# Altium PCB VCTS_mainboard_Photo.PcbDoc (part 3 of 4) (continued)
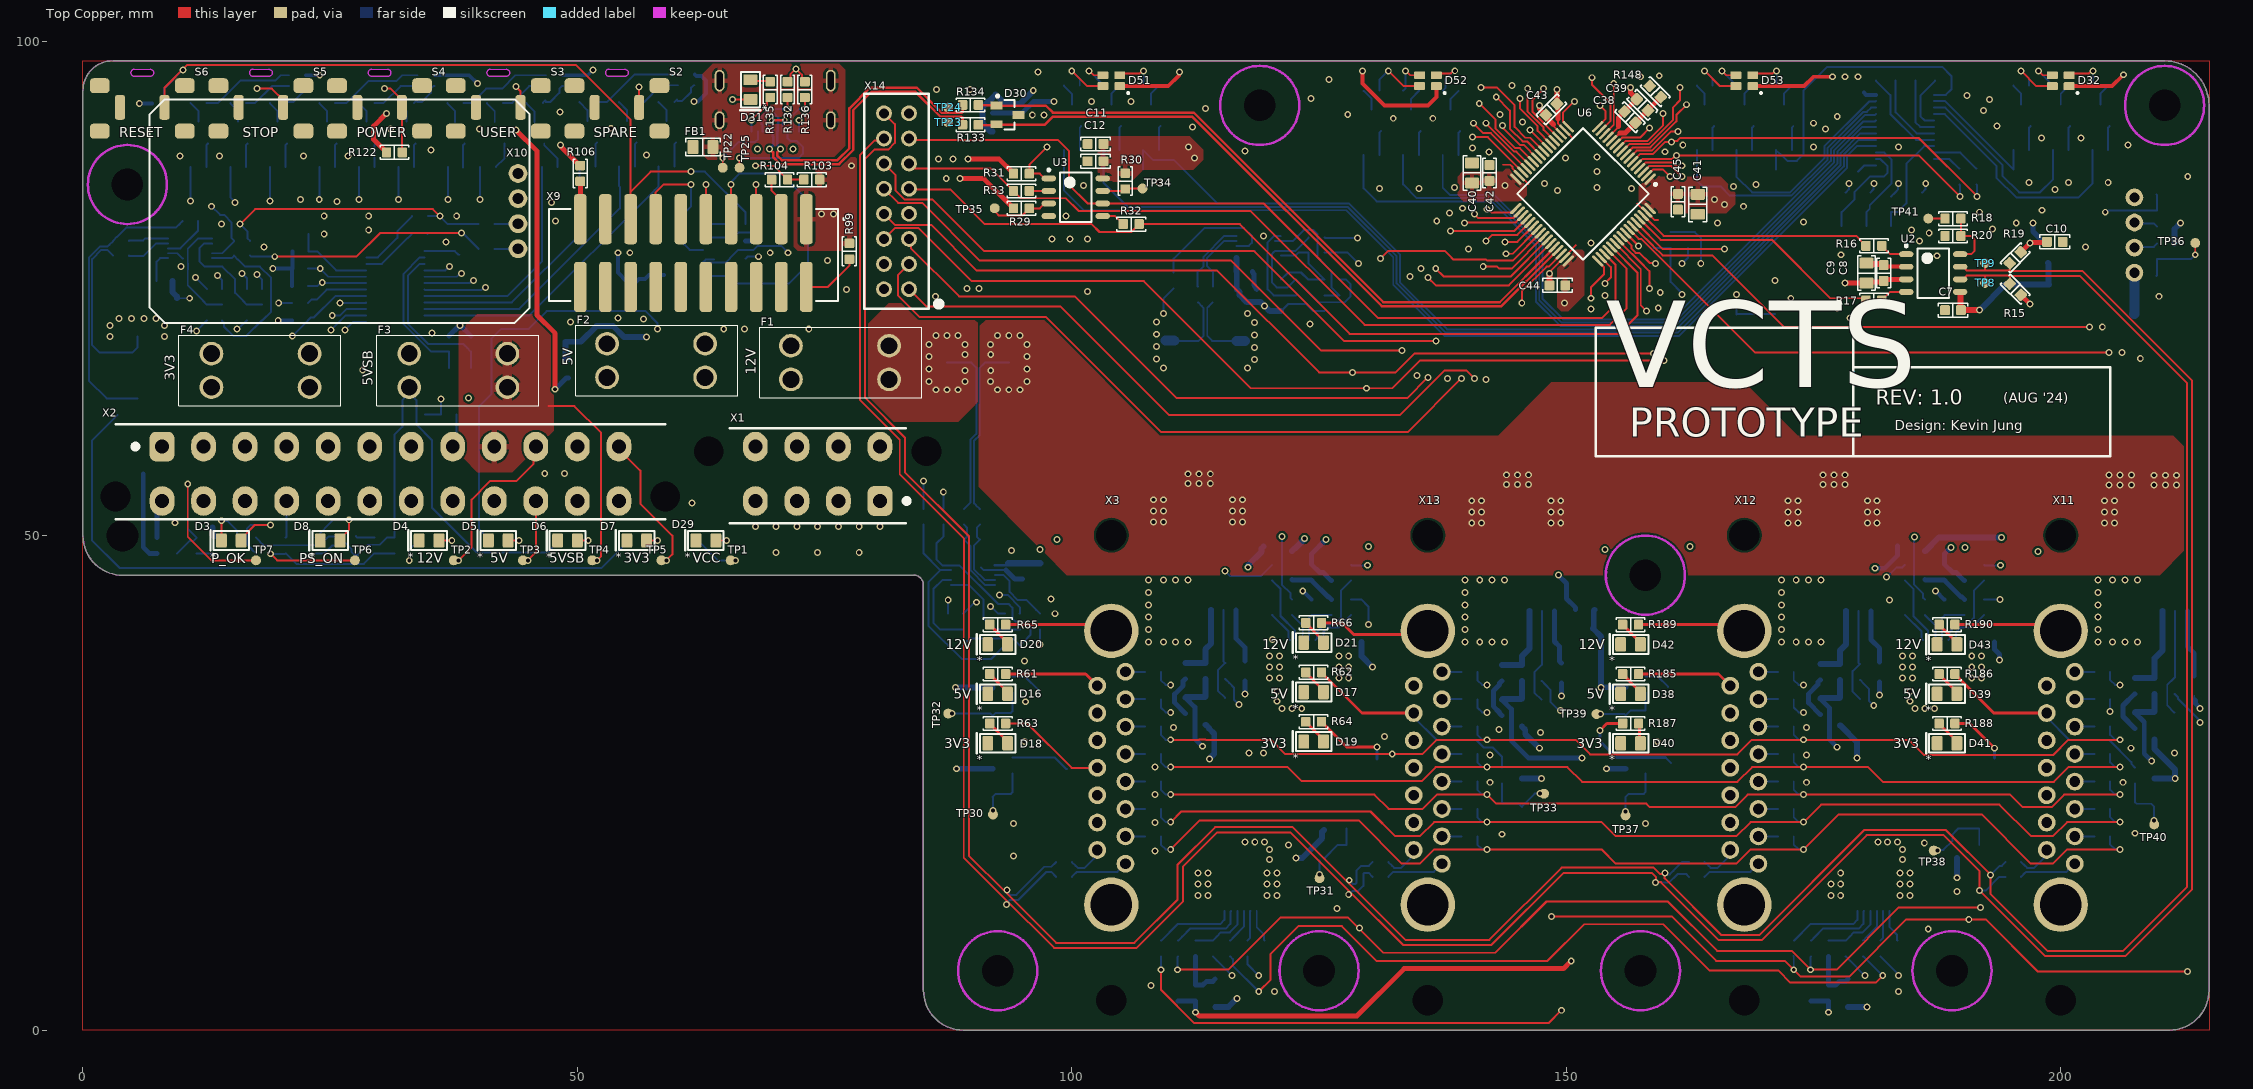
[diagram p0: Top Copper view]
## Nets (pads, with @x,y where several pads share a name; then routed paths per layer and width w, separated by ;. In a path a pad name is that pad's centre, name@x,y a point inside that pad or via, vN(x,y) a via of type N, cw(c..) or ccw(c..) an arc to the next point about the centre after c; other vN are vias at no path point) (continued)
NetB1_1: B1.1 R50.1 | length 3.2
  Bottom Copper w0.2: R50.1@120.25,41.95 120.275,41.95 121.925,40.3 121.925,39.587 B1.1@122.05,39.462
NetB1_2: B1.2 R51.1 | length 7
  Bottom Copper w0.2: R51.1@120.25,45.45 120.275,45.45 121.1,44.625 121.1,41.869 122.575,40.394 122.575,39.587 B1.2@122.7,39.462
NetB1_3: B1.3 R53.1 | length 3
  Bottom Copper w0.2: R53.1@122.25,41.95 122.275,41.95 123.35,40.875 B1.3@123.35,39.462
NetB1_4: B1.4 R55.2 R57.2 | length 4.6
  Bottom Copper w0.2: B1.4@124,39.462 124,41.7 R57.2@124.25,41.95 R55.2@126.25,41.95
NetB1_5: B1.5 R56.2 | length 8.1
  Bottom Copper w0.2: B1.5@124.65,39.462 124.775,39.587 124.775,40.25 125.555,41.03 126.561,41.03 127.211,41.68 127.211,44.436 128.225,45.45 R56.2@128.25,45.45
NetB1_6: B1.6 R58.1 | length 4.4
  Bottom Copper w0.2: B1.6@125.3,39.462 125.425,39.587 125.425,40.25 125.875,40.7 126.975,40.7 128.225,41.95 R58.1@128.25,41.95
NetB2_1: B2.1 R68.1 | length 3.3
  Bottom Copper w0.2: B2.1@118.7,12.038 118.7,10.4 119.442,9.658 119.442,9.108 R68.1@119.5,9.05
NetB2_2: B2.2 R69.1 | length 3.1
  Bottom Copper w0.2: R69.1@117.75,9.05 118.041,9.341 118.041,12.029 B2.2@118.05,12.038
NetB2_3: B2.3 R71.1 | length 3.6
  Bottom Copper w0.2: R71.1@116,9.05 116.015,9.05 116.4,9.435 116.4,9.45 117.4,10.45 B2.3@117.4,12.038
NetB2_4: B2.4 R73.2 R75.2 | length 6.3
  Bottom Copper w0.2: R73.2@112.5,9.05 R75.2@114.25,9.05 114.265,9.05 114.65,9.435 114.65,9.45 115.078,9.878 115.978,9.878 116.75,10.65 B2.4@116.75,12.038
NetB2_5: B2.5 R74.2 | length 7.3
  Bottom Copper w0.2: R74.2@110.75,9.05 110.765,9.05 111.15,9.435 111.15,9.45 111.95,10.25 115.558,10.25 116.042,10.734 116.042,11.98 B2.5@116.1,12.038
NetB2_6: B2.6 R76.1 | length 8.2
  Bottom Copper w0.2: R76.1@109,9.05 109.025,9.05 110.684,10.709 114.998,10.709 115.43,11.142 115.43,12.018 B2.6@115.45,12.038
NetB3_1: B3.1 R85.2 | length 5.6
  Bottom Copper w0.5: B3.1@116.62,42.5 116.62,39.58 117.5,38.7 R85.2@117.5,37.3
NetB3_2: B3.2 C30.2 R79.2 | length 9.6
  Bottom Copper w0.2: B3.2@115.35,42.5 115.35,37.25 R79.2@115.5,37.1 ; C30.2@115.5,33.6 114.77,34.33 114.77,36.395 115.475,37.1 R79.2@115.5,37.1 ; R79.2@115.54,37.14 R79.2@115.5,37.1
NetB3_3: B3.3 R81.2 R83.2 | length 7.6
  Bottom Copper w0.6: R83.2@111.5,37.1 R81.2@113.5,37.1 113.5,38.5 114.08,39.08 B3.3@114.08,42.5
NetB4_1: B4.1 R86.2 | length 5.6
  Bottom Copper w0.5: B4.1@148.81,42.4 148.81,39.29 149.3,38.8 149.3,37.3 R86.2@149.5,37.1
NetB4_2: B4.2 C31.2 R80.2 | length 9.6
  Bottom Copper w0.2: C31.2@147.5,33.4 146.77,34.13 146.77,36.195 147.475,36.9 R80.2@147.5,36.9 147.54,36.94 B4.2@147.54,42.4
NetB4_3: B4.3 R82.2 R84.2 | length 7.8
  Bottom Copper w0.6: R84.2@143.5,36.9 R82.2@145.5,36.9 145.5,37.8 146.27,38.57 B4.3@146.27,42.4
NetB5_1: B5.1 R174.1 | length 3.2
  Bottom Copper w0.2: R174.1@184.25,41.95 184.275,41.95 185.925,40.3 185.925,39.587 B5.1@186.05,39.462
NetB5_2: B5.2 R175.1 | length 7
  Bottom Copper w0.2: R175.1@184.25,45.45 184.275,45.45 185.1,44.625 185.1,41.869 186.575,40.394 186.575,39.587 B5.2@186.7,39.462
NetB5_3: B5.3 R177.1 | length 3
  Bottom Copper w0.2: R177.1@186.25,41.95 186.275,41.95 187.35,40.875 B5.3@187.35,39.462
NetB5_4: B5.4 R179.2 R181.2 | length 4.6
  Bottom Copper w0.2: B5.4@188,39.462 188,41.7 R181.2@188.25,41.95 R179.2@190.25,41.95
NetB5_5: B5.5 R180.2 | length 8.1
  Bottom Copper w0.2: B5.5@188.65,39.462 188.775,39.587 188.775,40.25 189.555,41.03 190.561,41.03 191.211,41.68 191.211,44.436 192.225,45.45 R180.2@192.25,45.45
NetB5_6: B5.6 R182.1 | length 4.4
  Bottom Copper w0.2: B5.6@189.3,39.462 189.425,39.587 189.425,40.25 189.875,40.7 190.975,40.7 192.225,41.95 R182.1@192.25,41.95
NetB6_1: B6.1 R192.1 | length 3.3
  Bottom Copper w0.2: B6.1@182.7,12.038 182.7,10.4 183.442,9.658 183.442,9.108 R192.1@183.5,9.05
NetB6_2: B6.2 R193.1 | length 3.1
  Bottom Copper w0.2: R193.1@181.75,9.05 182.041,9.341 182.041,12.029 B6.2@182.05,12.038
NetB6_3: B6.3 R195.1 | length 3.6
  Bottom Copper w0.2: R195.1@180,9.05 180.015,9.05 180.4,9.435 180.4,9.45 181.4,10.45 B6.3@181.4,12.038
NetB6_4: B6.4 R197.2 R199.2 | length 6.3
  Bottom Copper w0.2: R197.2@176.5,9.05 R199.2@178.25,9.05 178.265,9.05 178.65,9.435 178.65,9.45 179.078,9.878 179.978,9.878 180.75,10.65 B6.4@180.75,12.038
NetB6_5: B6.5 R198.2 | length 7.3
  Bottom Copper w0.2: R198.2@174.75,9.05 174.765,9.05 175.15,9.435 175.15,9.45 175.95,10.25 179.558,10.25 180.042,10.734 180.042,11.98 B6.5@180.1,12.038
NetB6_6: B6.6 R200.1 | length 8.2
  Bottom Copper w0.2: R200.1@173,9.05 173.025,9.05 174.684,10.709 178.998,10.709 179.43,11.142 179.43,12.018 B6.6@179.45,12.038
NetB7_1: B7.1 R209.2 | length 5.6
  Bottom Copper w0.5: B7.1@180.81,42.4 180.81,39.48 181.69,38.6 R209.2@181.69,37.2
NetB7_2: B7.2 C68.2 R203.2 | length 9.6
  Bottom Copper w0.2: B7.2@179.54,42.4 179.54,37.15 R203.2@179.69,37 179.665,37 178.96,36.295 178.96,34.23 C68.2@179.69,33.5
NetB7_3: B7.3 R205.2 R207.2 | length 7.6
  Bottom Copper w0.6: R207.2@175.69,37 R205.2@177.69,37 177.69,38.39 178.27,38.97 B7.3@178.27,42.4
NetB8_1: B8.1 R210.2 | length 6.9
  Bottom Copper w0.5: B8.1@212.81,42.4 212.81,38.79 213.5,38.1 R210.2@213.5,35.8
NetB8_2: B8.2 C69.2 R204.2 | length 10.9
  Bottom Copper w0.2: C69.2@211.5,32.1 210.77,32.83 210.77,34.895 211.475,35.6 R204.2@211.5,35.6 211.54,35.64 B8.2@211.54,42.4
NetB8_3: B8.3 R206.2 R208.2 | length 9.1
  Bottom Copper w0.6: R208.2@207.5,35.6 R206.2@209.5,35.6 209.5,37.6 210.27,38.37 B8.3@210.27,42.4
NetC10_1: C10.1 R15.1 R19.2 | length 10.6
  Top Copper w0.5: R15.1@195.966,74.334 v1(196.9,73.4) ; R19.2@195.966,78.666 v1(196.9,79.6) 196.938,79.638 198.538,79.638 C10.1@198.6,79.7
  Signal Layer 2 w0.5: v1(196.9,73.4) v1(196.9,79.6)
NetC15_1: C15.1 R44.1 U4.9 | length 7.6
  Bottom Copper w0.2: R44.1@90.7,51.1 90.4,50.8 90.4,49.9 C15.1@90.7,49.6 90.089,48.989 90.089,46.611 91.181,45.519 92.206,45.519 U4.9@92.225,45.5
NetC15_2: C15.2 R41.1 U4.10 | length 8.2
  Bottom Copper w0.2: R41.1@89.1,51.1 89.4,50.8 89.4,49.9 C15.2@89.1,49.6 89.759,48.941 89.759,46.474 91.233,45 U4.10@92.225,45
NetC34_1: C34.1 R94.1 U5.9 | length 6.9
  Bottom Copper w0.2: R94.1@114.25,75.181 114.278,75.209 114.278,76.609 C34.1@114.3,76.631 113.653,77.278 113.653,78.053 115.4,79.8 U5.9@116.675,79.8
NetC34_2: C34.2 R91.1 U5.10 | length 7.5
  Bottom Copper w0.2: R91.1@112.75,75.181 112.722,75.209 112.722,76.609 C34.2@112.7,76.631 113.323,77.254 113.323,78.19 115.433,80.3 U5.10@116.675,80.3
NetC37_2: C37.2 R108.2 U6.7 | length 26.3
  Top Copper w0.2: U6.7@156.362,88.172 157.121,88.932 158.644,88.932 160.593,90.881 v1(161.283,90.881)
  Signal Layer 2 w0.2: v1(161.283,90.881) 161.373,90.881 163.1,89.154 163.1,78.004 v1(163.6,77.504)
  Bottom Copper w0.2: R108.2@160.542,80.691 C37.2@162.309,80.691 163.009,80.691 163.6,80.1 v1(163.6,77.504)
NetC72_1: C72.1 R218.1 U13.9 | length 4.5
  Bottom Copper w0.2: R218.1@4.65,78.3 4.678,78.272 6.078,78.272 C72.1@6.1,78.25 7.4,79.55 U13.9@8.625,79.55
NetC72_2: C72.2 R215.1 U13.10 | length 4.1
  Bottom Copper w0.2: R215.1@4.65,79.8 4.678,79.828 6.078,79.828 C72.2@6.1,79.85 6.3,80.05 U13.10@8.625,80.05
NetD1_1: 
NetD3_1: D3.1 R5.1 | length 9.2
  Top Copper w0.2: D3.1@16,49.5 16,49.679 17.401,51.08 v1(18.977,51.08)
  Bottom Copper w0.2: R5.1@17.5,48.2 17.485,48.2 17.1,48.585 17.1,48.6 16.572,49.128 16.572,50.672 16.98,51.08 v1(18.977,51.08)
NetD3_2: D3.2 Q2.3 | length 5.5
  Top Copper w0.2: D3.2@14,49.5 v1(14,51.5)
  Bottom Copper w0.2: v1(14,51.5) 14.6,51.5 15.6,50.5 Q2.3@15.6,49
NetD4_1: D4.1 R7.1 | length 2.8
  Top Copper w0.2: D4.1@36,49.5 v1(37.3,49.5)
  Bottom Copper w0.2: R7.1@35.8,49.5 v1(37.3,49.5)
NetD5_1: D5.1 R8.1 | length 2.8
  Top Copper w0.2: D5.1@42.8,49.5 v1(44.1,49.5)
  Bottom Copper w0.2: R8.1@42.6,49.5 v1(44.1,49.5)
NetD6_1: D6.1 R9.1 | length 2.8
  Top Copper w0.2: D6.1@49.8,49.5 v1(51.1,49.5)
  Bottom Copper w0.2: R9.1@49.6,49.5 v1(51.1,49.5)
NetD7_1: D7.1 R10.1 | length 2.8
  Top Copper w0.2: D7.1@56.8,49.5 v1(58.1,49.5)
  Bottom Copper w0.2: R10.1@56.6,49.5 v1(58.1,49.5)
NetD8_1: D8.1 R12.1 | length 6.6
  Top Copper w0.2: D8.1@26,49.5 26,49.656 26.9,50.556 v1(26.9,51.6)
  Bottom Copper w0.2: R12.1@23.5,49.8 23.525,49.8 25.325,51.6 v1(26.9,51.6)
NetD13_2: D13.2 R54.2 R55.1 | length 4.8
  Bottom Copper w0.5: D13.2@122.25,45.575 122.313,45.513 124.187,45.513 R54.2@124.25,45.45 124.275,45.45 125.95,43.775 126.025,43.775 R55.1@126.25,43.55
NetD16_1: D16.1 R61.1 | length 2.7
  Top Copper w0.3: R61.1@91.7,36 91.7,35.975 93.5,34.175 D16.1@93.5,34
NetD17_1: D17.1 R62.1 | length 2.7
  Top Copper w0.3: R62.1@123.65,36.175 123.65,36.15 125.05,34.75 125.45,34.35 D17.1@125.45,34.175
NetD18_1: D18.1 R63.1 | length 2.7
  Top Copper w0.3: R63.1@91.7,31 91.7,30.975 93.1,29.575 93.5,29.175 D18.1@93.5,29
NetD19_1: D19.1 R64.1 | length 2.7
  Top Copper w0.3: R64.1@123.65,31.175 123.65,31.15 125.45,29.35 D19.1@125.45,29.175
NetD20_1: D20.1 R65.1 | length 2.7
  Top Copper w0.3: R65.1@91.7,41 91.7,40.975 93.1,39.575 93.5,39.175 D20.1@93.5,39
NetD21_1: D21.1 R66.1 | length 2.7
  Top Copper w0.3: R66.1@123.65,41.175 123.65,41.15 125.45,39.35 D21.1@125.45,39.175
NetD24_2: D24.2 R72.2 R73.1 | length 5.2
  Bottom Copper w0.5: R73.1@112.5,7.45 R72.2@112.5,4.55 113.25,4.55 113.63,4.93 114.255,4.93 D24.2@114.5,5.175
NetD29_1: D29.1 R109.1 | length 2.8
  Top Copper w0.2: D29.1@63.8,49.5 v1(65.1,49.5)
  Bottom Copper w0.2: R109.1@63.6,49.5 v1(65.1,49.5)
NetD31_1: D31.1 R135.1 | length 2.1
  Top Copper w0.2: D31.1@67.5,96.1 67.628,95.972 69.428,95.972 R135.1@69.5,95.9
NetD32_2: D32.2 R139.1 | length 5.6
  Top Copper w0.2: v1(195.993,97) 197.543,95.45 D32.2@199.15,95.45
  Bottom Copper w0.2: v1(195.993,97) 196.8,96.193 R139.1@196.8,95.5
NetD32_3: D32.3 R138.1 | length 3.7
  Top Copper w0.2: v1(197.743,97) 198.193,96.55 D32.3@199.15,96.55
  Bottom Copper w0.2: v1(197.743,97) 197.743,96.991 199.2,95.534 R138.1@199.2,95.5
NetD32_4: D32.4 R137.1 | length 4.1
  Top Copper w0.2: D32.4@200.85,96.55 201.05,96.75 202.858,96.75 203.108,97 v1(203.243,97)
  Bottom Copper w0.2: R137.1@203.2,95.5 203.243,95.543 v1(203.243,97)
NetD35_2: D35.2 R178.2 R179.1 | length 4.8
  Bottom Copper w0.5: D35.2@186.25,45.575 186.313,45.512 188.187,45.512 R178.2@188.25,45.45 188.275,45.45 189.95,43.775 190.025,43.775 R179.1@190.25,43.55
NetD38_1: D38.1 R185.1 | length 2.7
  Top Copper w0.3: R185.1@155.7,36 155.7,35.975 157.1,34.575 157.1,34.4 D38.1@157.5,34
NetD39_1: D39.1 R186.1 | length 2.7
  Top Copper w0.3: R186.1@187.7,36 187.7,35.975 189.1,34.575 189.5,34.175 D39.1@189.5,34
NetD40_1: D40.1 R187.1 | length 2.1
  Top Copper w0.3: R187.1@157.3,31 157.4,30.9 157.4,29.1 D40.1@157.5,29
NetD41_1: D41.1 R188.1 | length 2.7
  Top Copper w0.3: R188.1@187.7,31 187.7,30.975 189.1,29.575 189.5,29.175 D41.1@189.5,29
NetD42_1: D42.1 R189.1 | length 2.7
  Top Copper w0.3: R189.1@155.7,41 155.7,40.975 157.5,39.175 D42.1@157.5,39
NetD43_1: D43.1 R190.1 | length 2.7
  Top Copper w0.3: R190.1@187.7,41 187.7,40.975 189.1,39.575 189.5,39.175 D43.1@189.5,39
NetD46_2: D46.2 R196.2 R197.1 | length 10.3
  Bottom Copper w0.2: R197.1@176.5,7.45 R196.2@176.5,4.55 177.355,4.55 177.58,4.775 178.1,4.775 D46.2@178.5,5.175
  Bottom Copper w0.5: R197.1@176.5,7.45 R196.2@176.5,4.55 177.25,4.55 177.63,4.93 178.255,4.93 D46.2@178.5,5.175
NetD51_2: D51.2 R225.1 | length 5.6
  Top Copper w0.2: v1(99.994,97) 101.544,95.45 D51.2@103.151,95.45
  Bottom Copper w0.2: v1(99.994,97) 100.801,96.193 R225.1@100.801,95.5
NetD51_3: D51.3 R224.1 | length 3.7
  Top Copper w0.2: v1(101.744,97) 102.194,96.55 D51.3@103.151,96.55
  Bottom Copper w0.2: v1(101.744,97) 101.744,96.991 103.201,95.534 R224.1@103.201,95.5
NetD51_4: D51.4 R223.1 | length 4.1
  Top Copper w0.2: D51.4@104.851,96.55 105.051,96.75 106.858,96.75 107.108,97 v1(107.244,97)
  Bottom Copper w0.2: R223.1@107.201,95.5 107.244,95.543 v1(107.244,97)
NetD52_2: D52.2 R234.1 | length 6.1
  Top Copper w0.2: v1(132,97) 133.55,95.45 D52.2@135.157,95.45
  Bottom Copper w0.2: R234.1@131.107,95 131.107,95.693 ; 131.107,95.73 131.107,96.107 v1(132,97)
NetD52_3: D52.3 R233.1 | length 3.7
  Top Copper w0.2: v1(133.75,97) 134.2,96.55 D52.3@135.157,96.55
  Bottom Copper w0.2: R233.1@133.507,95.034 R233.1@133.507,95 133.75,95.243 v1(133.75,97)
NetD52_4: D52.4 R232.1 | length 4.6
  Top Copper w0.2: D52.4@136.857,96.55 137.057,96.75 138.337,96.75 138.589,97.002 v1(138.724,97.002)
  Bottom Copper w0.2: R232.1@137.507,95 137.763,95.256 137.763,96.163 138.602,97.002 v1(138.724,97.002)
NetD53_2: D53.2 R243.1 | length 5.6
  Top Copper w0.2: v1(163.993,97) 165.543,95.45 D53.2@167.15,95.45
  Bottom Copper w0.2: v1(163.993,97) 164.8,96.193 R243.1@164.8,95.5
NetD53_3: D53.3 R242.1 | length 3.7
  Top Copper w0.2: v1(165.743,97) 166.193,96.55 D53.3@167.15,96.55
  Bottom Copper w0.2: v1(165.743,97) 165.743,96.991 167.2,95.534 R242.1@167.2,95.5
NetD53_4: D53.4 R241.1 | length 4.1
  Top Copper w0.2: D53.4@168.85,96.55 169.05,96.75 170.858,96.75 171.108,97 v1(171.243,97)
  Bottom Copper w0.2: R241.1@171.2,95.5 171.243,95.543 v1(171.243,97)
NetD54_2: D54.2 R252.1 | length 9.5
  Bottom Copper w0.2: R252.1@25.5,93.75 26.669,93.75 28.903,95.983 31.718,95.983 32.284,96.55 D54.2@33.85,96.55
NetD54_3: D54.3 R251.1 | length 5.1
  Bottom Copper w0.2: R251.1@29.5,93.75 30.42,93.75 32.12,95.45 D54.3@33.85,95.45
NetD54_4: D54.4 R250.1 | length 3.2
  Bottom Copper w0.2: R250.1@33.5,93.75 33.761,94.011 33.761,93.908 33.825,93.844 34.255,93.844 35.181,94.77 35.181,95.2 35.431,95.45 D54.4@35.55,95.45
NetD55_2: D55.2 R261.1 | length 9.5
  Bottom Copper w0.2: R261.1@51.819,93.839 52.988,93.839 55.788,96.639 D55.2@60.169,96.639
NetD55_3: D55.3 R260.1 | length 5.1
  Bottom Copper w0.2: R260.1@55.819,93.839 56.739,93.839 58.439,95.539 D55.3@60.169,95.539
NetD55_4: D55.4 R259.1 | length 3.2
  Bottom Copper w0.2: R259.1@59.819,93.839 60.08,94.1 60.08,93.997 60.144,93.933 60.574,93.933 61.5,94.859 61.5,95.289 61.75,95.539 D55.4@61.869,95.539
NetD56_2: D56.2 R270.1 | length 9.5
  Bottom Copper w0.2: R270.1@38.5,93.75 39.317,93.75 40.767,95.2 42.386,95.2 43.736,96.55 D56.2@46.85,96.55
NetD56_3: D56.3 R269.1 | length 5.1
  Bottom Copper w0.2: R269.1@42.5,93.75 43.42,93.75 45.12,95.45 D56.3@46.85,95.45
NetD56_4: D56.4 R268.1 | length 3.2
  Bottom Copper w0.2: R268.1@46.5,93.75 46.761,94.011 46.761,93.908 46.825,93.844 47.255,93.844 48.181,94.77 48.181,95.2 48.431,95.45 D56.4@48.55,95.45
NetD57_2: D57.2 R279.1 | length 9.5
  Bottom Copper w0.2: R279.1@12.5,93.75 13.669,93.75 15.919,96 19.458,96 20.007,96.55 D57.2@20.85,96.55
NetD57_3: D57.3 R278.1 | length 5.1
  Bottom Copper w0.2: R278.1@16.5,93.75 17.42,93.75 19.12,95.45 D57.3@20.85,95.45
NetD57_4: D57.4 R277.1 | length 3.2
  Bottom Copper w0.2: R277.1@20.5,93.75 20.761,94.011 20.761,93.908 20.825,93.844 21.255,93.844 22.181,94.77 22.181,95.2 22.431,95.45 D57.4@22.55,95.45
NetQ1_1: Q1.1 R11.1 | length 2
  Bottom Copper w0.2: Q1.1@27.6,49.95 27.75,49.8 R11.1@29.5,49.8
NetQ1_3: Q1.3 R12.2 | length 2.2
  Bottom Copper w0.2: R12.2@23.5,48.2 24.4,48.2 25.2,49 Q1.3@25.4,49
NetQ2_1: Q2.1 R13.1 | length 2
  Bottom Copper w0.2: R13.1@11.5,48.2 13.25,48.2 Q2.1@13.4,48.05
NetQ3_1: Q3.1 R140.2 | length 2.5
  Bottom Copper w0.2: R140.2@196.8,89 196.8,91.25 Q3.1@196.95,91.4
NetQ3_3: Q3.3 R139.2 | length 2.2
  Bottom Copper w0.2: R139.2@195.2,95.5 195.2,95.475 196,94.675 Q3.3@196,93.6
NetQ4_1: Q4.1 R142.2 | length 2.5
  Bottom Copper w0.2: R142.2@200.8,89 200.8,91.25 Q4.1@200.95,91.4
NetQ4_3: Q4.3 R138.2 | length 2.2
  Bottom Copper w0.2: Q4.3@200,93.6 200,94.675 200.8,95.475 R138.2@200.8,95.5
NetQ5_1: Q5.1 R144.2 | length 2.5
  Bottom Copper w0.2: R144.2@204.8,89 204.8,91.25 Q5.1@204.95,91.4
NetQ5_3: Q5.3 R137.2 | length 2.2
  Bottom Copper w0.2: Q5.3@204,93.6 204,94.675 204.8,95.475 R137.2@204.8,95.5
NetQ6_1: Q6.1 R226.2 | length 2.5
  Bottom Copper w0.2: R226.2@100.801,89 100.801,91.25 Q6.1@100.951,91.4
NetQ6_3: Q6.3 R225.2 | length 2.2
  Bottom Copper w0.2: R225.2@99.201,95.5 99.201,95.475 100.001,94.675 Q6.3@100.001,93.6
NetQ7_1: Q7.1 R228.2 | length 2.5
  Bottom Copper w0.2: R228.2@104.801,89 104.801,91.25 Q7.1@104.951,91.4
NetQ7_3: Q7.3 R224.2 | length 2.2
  Bottom Copper w0.2: Q7.3@104.001,93.6 104.001,94.675 104.801,95.475 R224.2@104.801,95.5
NetQ8_1: Q8.1 R230.2 | length 2.5
  Bottom Copper w0.2: R230.2@108.801,89 108.801,91.25 Q8.1@108.951,91.4
NetQ8_3: Q8.3 R223.2 | length 2.2
  Bottom Copper w0.2: Q8.3@108.001,93.6 108.001,94.675 108.801,95.475 R223.2@108.801,95.5
NetQ9_1: Q9.1 R235.2 | length 2.5
  Bottom Copper w0.2: R235.2@131.107,88.5 131.107,90.75 Q9.1@131.257,90.9
NetQ9_3: Q9.3 R234.2 | length 2.2
  Bottom Copper w0.2: R234.2@129.507,94.975 130.307,94.175 Q9.3@130.307,93.1
NetQ10_1: Q10.1 R237.2 | length 2.5
  Bottom Copper w0.2: R237.2@135.107,88.5 135.107,90.75 Q10.1@135.257,90.9
NetQ10_3: Q10.3 R233.2 | length 2.2
  Bottom Copper w0.2: Q10.3@134.307,93.1 134.307,94.175 135.107,94.975 R233.2@135.107,95
NetQ11_1: Q11.1 R239.2 | length 2.5
  Bottom Copper w0.2: R239.2@139.107,88.5 139.107,90.75 Q11.1@139.257,90.9
NetQ11_3: Q11.3 R232.2 | length 2.2
  Bottom Copper w0.2: Q11.3@138.307,93.1 138.307,94.175 R232.2@139.107,94.975
NetQ12_1: Q12.1 R244.2 | length 2.5
  Bottom Copper w0.2: R244.2@164.8,89 164.8,91.25 Q12.1@164.95,91.4
NetQ12_3: Q12.3 R243.2 | length 2.2
  Bottom Copper w0.2: R243.2@163.2,95.5 163.2,95.475 164,94.675 Q12.3@164,93.6
NetQ13_1: Q13.1 R246.2 | length 2.5
  Bottom Copper w0.2: R246.2@168.8,89 168.8,91.25 Q13.1@168.95,91.4
NetQ13_3: Q13.3 R242.2 | length 2.2
  Bottom Copper w0.2: Q13.3@168,93.6 168,94.675 168.8,95.475 R242.2@168.8,95.5
NetQ14_1: Q14.1 R248.2 | length 2.5
  Bottom Copper w0.2: R248.2@172.8,89 172.8,91.25 Q14.1@172.95,91.4
NetQ14_3: Q14.3 R241.2 | length 2.2
  Bottom Copper w0.2: Q14.3@172,93.6 172,94.675 172.8,95.475 R241.2@172.8,95.5
NetQ15_1: Q15.1 R253.2 | length 2.5
  Bottom Copper w0.2: R253.2@25.5,87.25 25.5,89.5 Q15.1@25.65,89.65
NetQ15_3: Q15.3 R252.2 | length 2.2
  Bottom Copper w0.2: R252.2@23.9,93.75 23.9,93.725 24.7,92.925 Q15.3@24.7,91.85
NetQ16_1: Q16.1 R255.2 | length 2.5
  Bottom Copper w0.2: R255.2@29.5,87.25 29.5,89.5 Q16.1@29.65,89.65
NetQ16_3: Q16.3 R251.2 | length 2.2
  Bottom Copper w0.2: R251.2@27.9,93.75 27.9,93.725 28.7,92.925 Q16.3@28.7,91.85
NetQ17_1: Q17.1 R257.2 | length 2.5
  Bottom Copper w0.2: R257.2@33.5,87.25 33.5,89.5 Q17.1@33.65,89.65
NetQ17_3: Q17.3 R250.2 | length 2.2
  Bottom Copper w0.2: R250.2@31.9,93.75 31.9,93.725 32.7,92.925 Q17.3@32.7,91.85
NetQ18_1: Q18.1 R262.2 | length 2.5
  Bottom Copper w0.2: R262.2@51.819,87.339 51.819,89.589 Q18.1@51.969,89.739
NetQ18_3: Q18.3 R261.2 | length 2.2
  Bottom Copper w0.2: R261.2@50.219,93.839 50.219,93.814 51.019,93.014 Q18.3@51.019,91.939
NetQ19_1: Q19.1 R264.2 | length 2.5
  Bottom Copper w0.2: R264.2@55.819,87.339 55.819,89.589 Q19.1@55.969,89.739
NetQ19_3: Q19.3 R260.2 | length 2.2
  Bottom Copper w0.2: R260.2@54.219,93.839 54.219,93.814 55.019,93.014 Q19.3@55.019,91.939
NetQ20_1: Q20.1 R266.2 | length 2.5
  Bottom Copper w0.2: R266.2@59.819,87.339 59.819,89.589 Q20.1@59.969,89.739
NetQ20_3: Q20.3 R259.2 | length 2.2
  Bottom Copper w0.2: R259.2@58.219,93.839 58.219,93.814 59.019,93.014 Q20.3@59.019,91.939
NetQ21_1: Q21.1 R271.2 | length 2.5
  Bottom Copper w0.2: R271.2@38.446,87.23 38.446,89.48 Q21.1@38.596,89.63
NetQ21_3: Q21.3 R270.2 | length 2.2
  Bottom Copper w0.2: R270.2@36.846,93.73 36.846,93.705 37.646,92.905 Q21.3@37.646,91.83
NetQ22_1: Q22.1 R273.2 | length 2.8
  Bottom Copper w0.2: R273.2@41.75,87.25 41.75,87.275 42.65,88.175 Q22.1@42.65,89.65
NetQ22_3: Q22.3 R269.2 | length 2.2
  Bottom Copper w0.2: R269.2@40.846,93.73 40.846,93.705 41.646,92.905 Q22.3@41.646,91.83
NetQ23_1: Q23.1 R275.2 | length 3
  Bottom Copper w0.2: Q23.1@46.65,89.65 46.65,89.45 48,88.1 R275.2@48,87.25
NetQ23_3: Q23.3 R268.2 | length 2.2
  Bottom Copper w0.2: R268.2@44.846,93.73 44.846,93.705 45.646,92.905 Q23.3@45.646,91.83
NetQ24_1: Q24.1 R280.2 | length 2.5
  Bottom Copper w0.2: R280.2@12.5,87.25 12.5,89.5 Q24.1@12.65,89.65
NetQ24_3: Q24.3 R279.2 | length 2.2
  Bottom Copper w0.2: R279.2@10.9,93.75 10.9,93.725 11.7,92.925 Q24.3@11.7,91.85
NetQ25_1: Q25.1 R282.2 | length 2.5
  Bottom Copper w0.2: R282.2@16.5,87.25 16.5,89.5 Q25.1@16.65,89.65
NetQ25_3: Q25.3 R278.2 | length 2.2
  Bottom Copper w0.2: R278.2@14.9,93.75 14.9,93.725 15.7,92.925 Q25.3@15.7,91.85
NetQ26_1: Q26.1 R284.2 | length 2.5
  Bottom Copper w0.2: R284.2@20.5,87.25 20.5,89.5 Q26.1@20.65,89.65
NetQ26_3: Q26.3 R277.2 | length 2.2
  Bottom Copper w0.2: R277.2@18.9,93.75 18.9,93.725 19.7,92.925 Q26.3@19.7,91.85
NetR3_2: R3.2 X2.16 | length 3.7
  Bottom Copper w0.2: R3.2@20.5,49.8 20.6,49.9 X2.16@20.6,53.5
NetR16_2: R16.2 U2.1 | length 2.8
  Top Copper w0.2: R16.2@181.9,79.3 181.9,79.285 182.274,78.912 182.288,78.912 182.745,78.455 U2.1@184.375,78.455
NetR17_2: R17.2 U2.4 | length 2.8
  Top Copper w0.2: R17.2@181.9,73.8 181.9,73.815 182.274,74.188 182.288,74.188 182.745,74.645 U2.4@184.375,74.645
NetR18_2: R18.2 R20.1 U2.8 | length 6
  Top Copper w0.2: U2.8@189.825,78.455 190.955,78.455 191.3,78.8 191.3,79.9 190.9,80.3 R20.1@189.9,80.3 R18.2@189.9,82.05
NetR21_2: R21.2 X3.8 | length 2
  Bottom Copper w0.2: X3.8@105.422,36.223 R21.2@107.4,36.223
NetR22_1: R22.1 X3.9 | length 2
  Bottom Copper w0.2: X3.9@105.422,33.455 R22.1@107.4,33.455
NetR23_2: R23.2 X3.10 | length 2
  Bottom Copper w0.2: X3.10@105.422,30.686 R23.2@107.4,30.686
NetR24_2: R24.2 X3.11 | length 2
  Bottom Copper w0.2: X3.11@105.422,27.917 R24.2@107.4,27.917
NetR25_2: R25.2 X3.13 | length 2
  Bottom Copper w0.2: X3.13@105.422,22.355 R25.2@107.4,22.355
NetR26_2: R26.2 X3.14 | length 2
  Bottom Copper w0.2: X3.14@105.422,19.586 R26.2@107.4,19.587
NetR27_2: R27.2 X3.7 | length 3.9
  Bottom Copper w0.2: R27.2@100,17 100,16.985 100.385,16.6 100.4,16.6 100.6,16.4 101.3,16.4 102.271,17.371 102.271,17.908 X3.7@102.578,18.215
NetR28_2: R28.2 X3.15 | length 6
  Bottom Copper w0.2: R28.2@100,15.5 100,15.515 100.385,15.9 100.4,15.9 100.5,16 104.605,16 X3.15@105.422,16.818
NetR35_1: R35.1 X5.1 | length 2.5
  Bottom Copper w0.2: X5.1@207.45,79.12 207.537,79.207 209.407,79.207 R35.1@209.75,79.55
NetR36_1: R36.1 X6.1 | length 2.5
  Bottom Copper w0.2: X6.1@207.45,81.66 207.527,81.583 209.417,81.583 R36.1@209.75,81.25
NetR40_1: R40.1 U4.8 | length 6.8
  Bottom Copper w0.2: U4.8@92.225,46 93.1,46 93.7,45.4 93.7,44.3 94.5,43.5 95.4,43.5 96.4,42.5 96.4,42.485 96.785,42.1 R40.1@96.8,42.1
NetR90_1: R90.1 U5.8 | length 13.3
  Bottom Copper w0.2: R90.1@110.3,76.6 110.3,78 113.4,81.1 117.4,81.1 118.2,80.3 118.2,79.6 117.9,79.3 U5.8@116.675,79.3
NetR99_2: R99.2 X9.02 | length 5.9
  Top Copper w0.2: X9.02@73.16,75.142 75.342,75.142 77.5,77.3 R99.2@77.5,77.95
NetR104_2: R104.2 X9.03 | length 4.4
  Top Copper w0.2: R104.2@69.65,86 69.65,84.875 70.62,83.905 X9.03@70.62,82
NetR106_2: R106.2 X9.19 | length 3.8
  Top Copper w0.2: R106.2@50.282,85.818 R106.2@50.3,85.8
  Top Copper w0.5: X9.19@50.3,82 R106.2@50.3,85.8
NetR107_2: R107.2 S1.2 U6.60 | length 21.1
  Top Copper w0.2: U6.60@157.063,81.662 159.725,79 v1(166,79)
  Signal Layer 2 w0.2: v1(166,79) 166.6,78.4 166.6,75 v1(167.2,74.4)
  Bottom Copper w0.2: S1.2@167.2,72.35 S1.2@167.2,72.4 ; v1(167.2,74.4) S1.2@167.2,72.4 ; R107.2@171.1,72.4 S1.2@167.2,72.4
NetR110_2: R110.2 U7.22 | length 5
  Bottom Copper w0.2: U7.22@187.2,88.725 189.85,88.725 191.475,87.1 R110.2@191.5,87.1
NetR111_2: R111.2 U8.22 | length 5.9
  Bottom Copper w0.2: U8.22@28.65,77.475 30.225,77.475 32.862,80.112 32.876,80.112 33.25,80.485 R111.2@33.25,80.5
NetR112_2: R112.2 U7.23 | length 3
  Bottom Copper w0.2: U7.23@187.2,88.075 188.75,88.075 189.725,87.1 R112.2@189.75,87.1
NetR113_2: R113.2 U8.23 | length 6.8
  Bottom Copper w0.2: U8.23@28.65,78.125 29.825,78.125 31.8,80.1 31.8,80.775 33.3,82.275 R113.2@33.3,82.3
NetR114_1: R114.1 R125.2 U7.3 | length 9.7
  Bottom Copper w0.2: R125.2@180.35,81.3 R114.1@180.35,82.7 180.686,83.036 180.686,83.405 182.896,85.615 182.896,88.004 182.175,88.725 U7.3@181.3,88.725
NetR115_1: R115.1 R126.2 U7.2 | length 10.3
  Bottom Copper w0.2: R126.2@177.85,81.3 R115.1@177.85,82.7 177.865,82.7 178.25,83.085 178.25,83.1 179.154,84.004 179.154,84.754 180.7,86.3 182.1,86.3 182.5,86.7 182.5,87.35 181.775,88.075 U7.2@181.3,88.075
NetR116_1: R116.1 R127.2 U7.21 | length 10.9
  Bottom Copper w0.2: R127.2@182.85,81.3 R116.1@182.85,82.7 183.5,82.7 184.4,83.6 184.4,87.6 186.175,89.375 U7.21@187.2,89.375
NetR117_1: R117.1 R129.2 U8.3 | length 16.2
  Bottom Copper w0.2: U8.3@34.55,77.475 34.075,77.475 32.864,76.264 32.864,71.412 34.9,69.376 38.474,69.376 38.85,69 38.85,68.985 39.235,68.6 R117.1@39.25,68.6 R129.2@39.25,66.95
NetR118_1: R118.1 R130.2 U8.2 | length 15.3
  Bottom Copper w0.2: U8.2@34.55,78.125 34.075,78.125 32.4,76.45 32.4,71.409 35.209,68.6 R118.1@37,68.6 R130.2@37,66.95
NetR119_1: R119.1 R131.2 U8.21 | length 8.4
  Bottom Copper w0.2: R131.2@22.8,80.5 R119.1@22.8,78.75 23.674,78.75 25.599,76.825 U8.21@28.65,76.825
NetR121_2: R121.2 U8.18 | length 6.5
  Bottom Copper w0.2: R121.2@22.75,73.5 23.105,73.855 23.627,73.855 24.647,74.875 U8.18@28.65,74.875
NetR146_2: R146.2 X10.4 | length 2.4
  Bottom Copper w0.2: R146.2@41.6,79 X10.4@44,79
NetR147_2: R147.2 X10.3 | length 2.4
  Bottom Copper w0.2: R147.2@41.6,81.5 44,81.5 X10.3@44,81.54
NetR149_2: R149.2 X11.8 | length 2
  Bottom Copper w0.2: X11.8@201.422,36.223 R149.2@203.4,36.223
NetR150_1: R150.1 X11.9 | length 2
  Bottom Copper w0.2: X11.9@201.422,33.455 R150.1@203.4,33.455
NetR151_2: R151.2 X11.10 | length 2
  Bottom Copper w0.2: X11.10@201.422,30.686 R151.2@203.4,30.686
NetR152_2: R152.2 X11.11 | length 2
  Bottom Copper w0.2: X11.11@201.422,27.917 R152.2@203.4,27.917
NetR153_2: R153.2 X11.13 | length 2
  Bottom Copper w0.2: X11.13@201.422,22.355 R153.2@203.4,22.355
NetR154_2: R154.2 X11.14 | length 2
  Bottom Copper w0.2: X11.14@201.422,19.586 R154.2@203.4,19.587
NetR155_2: R155.2 X11.7 | length 3.9
  Bottom Copper w0.2: R155.2@196,17 196,16.985 196.385,16.6 196.4,16.6 196.6,16.4 197.3,16.4 198.271,17.371 198.271,17.908 X11.7@198.578,18.215
NetR156_2: R156.2 X11.15 | length 6
  Bottom Copper w0.2: R156.2@196,15.5 196,15.515 196.385,15.9 196.4,15.9 196.5,16 200.605,16 X11.15@201.422,16.818
NetR157_2: R157.2 X12.8 | length 2
  Bottom Copper w0.2: X12.8@169.422,36.223 R157.2@171.4,36.223
NetR158_1: R158.1 X12.9 | length 2
  Bottom Copper w0.2: X12.9@169.422,33.455 R158.1@171.4,33.455
NetR159_2: R159.2 X12.10 | length 2
  Bottom Copper w0.2: X12.10@169.422,30.686 R159.2@171.4,30.686
NetR160_2: R160.2 X12.11 | length 2
  Bottom Copper w0.2: X12.11@169.422,27.917 R160.2@171.4,27.917
NetR161_2: R161.2 X12.13 | length 2
  Bottom Copper w0.2: X12.13@169.422,22.355 R161.2@171.4,22.355
NetR162_2: R162.2 X12.14 | length 2
  Bottom Copper w0.2: X12.14@169.422,19.586 R162.2@171.4,19.587